# KiCad board AOML_AB_3.0_reorganized-v3.kicad_pcb (continued)
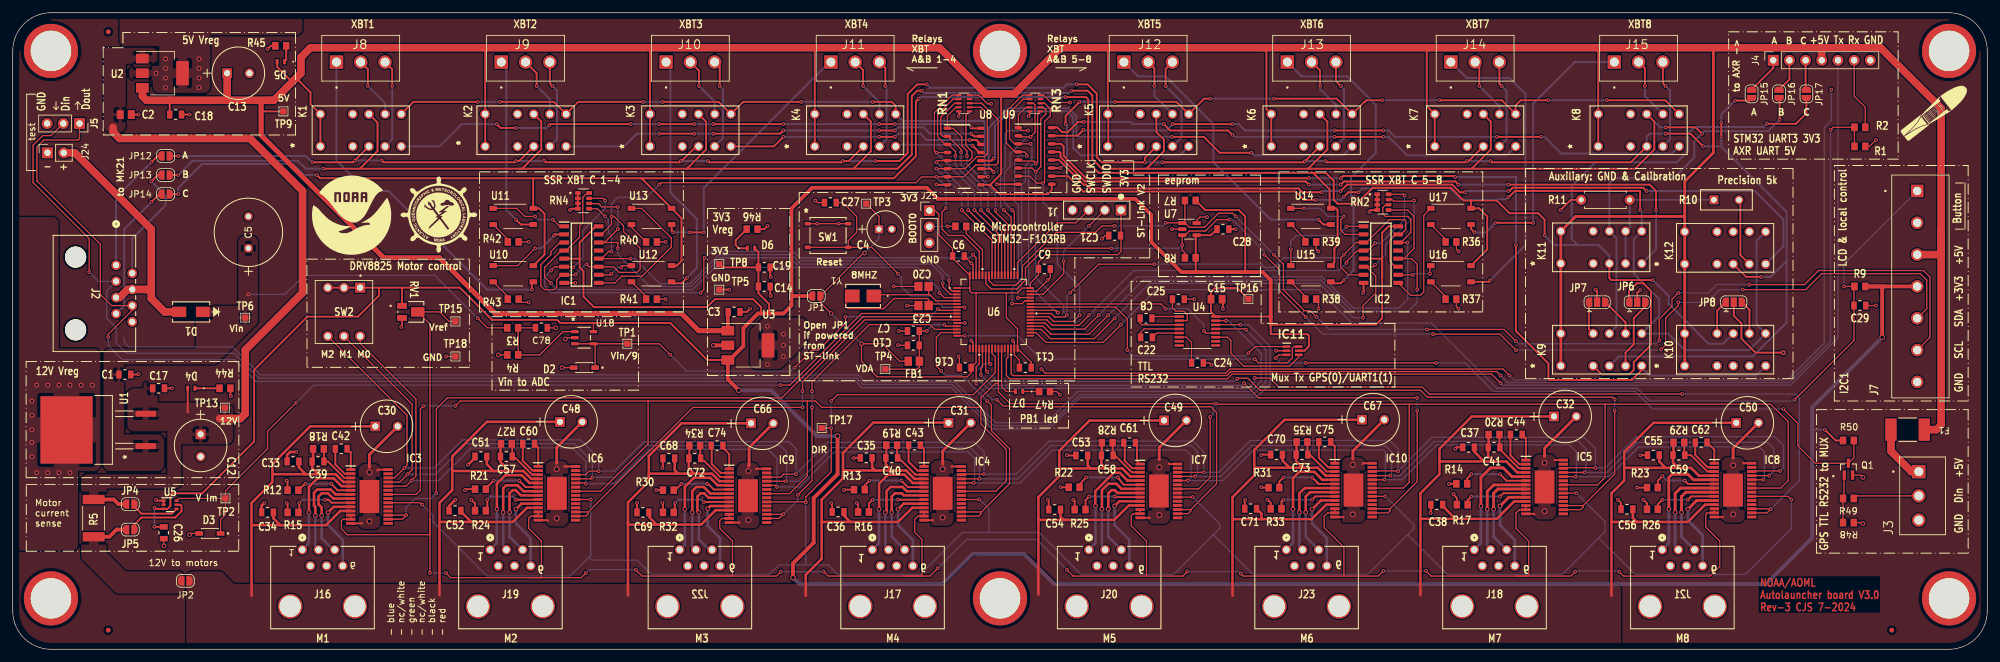
[diagram p0: board, top side]
## Routing (per net, layer and track width the routed paths; a pad name or vN(x,y) marks a point on that pad's centre or on a via; arc(x,y) is an arc through that point) (continued)
xbt_A: length 379
  Top w0.3: v1(47,76.5) 53.42,76.5 v1(53.71,76.79) K1.4 ; K5.4 177.75,77.21 v1(177.75,76.5) 171,76.5 170.2,77.3 170.2,87.3 168.75,88.75 v1(167,88.75) ; v1(270.4,86.2) 272.6,86.2 JP15.2 ; K3.4 107.3,79 105,76.7 v1(104.9,76.7) 104.7,76.5 83.7,76.5 v1(83.4,76.8) ; v1(180.5,76.5) 202.71,76.5 v1(202.85,76.65) K6.4 ; v1(232,76.7) 232.2,76.5 254.04,76.5 K8.4 ; K2.4 79.49,76.7 v1(79,76.7) 78.8,76.5 58.2,76.5 v1(57.9,76.8) ; v1(135.4,76.7) 139.2,76.7 140.5,78 140.5,87.25 142,88.75 v1(143.5,88.75) ; JP12.2 v1(26,77.5) ; v1(265.4,79) 263.4,81 v1(259.5,81) ; v1(274.5,58.5) 272.14,58.5 K12.4 ; K4.4 131.24,76.7 v1(130.3,76.7) 130.1,76.5 109.3,76.5 v1(109.1,76.7) ; v1(268.25,80.6) v1(268.25,82.75) ; v1(206.1,76.7) 206.3,76.5 228.1,76.5 v1(228.3,76.7) 228.58,76.7 K7.4
  Bottom w0.3: v1(104.9,76.7) v1(109.1,76.7) ; v1(259.5,81) 257,81 256.54,80.54 K8.4 ; v1(180.5,76.5) v1(177.75,76.5) ; 278.5,61 278.5,68.7 268.25,78.95 v1(268.25,80.6) ; 278.5,61 278.5,51.33 273.17,46 252.15,46 K9.4 ; 278.5,61 276,58.5 v1(274.5,58.5) ; v1(202.85,76.65) 202.91,76.7 v1(206.1,76.7) ; v1(143.5,88.75) 144.05,88.2 164.95,88.2 165.5,88.75 v1(167,88.75) ; v1(47,76.5) 46,77.5 v1(26,77.5) ; v1(53.71,76.79) 53.72,76.8 v1(57.9,76.8) ; v1(265.4,79) 268.25,79 ; v1(268.25,82.75) 268.25,84.05 v1(270.4,86.2) ; v1(83.4,76.8) 83.3,76.7 v1(79,76.7) ; v1(228.3,76.7) v1(232,76.7) ; v1(130.3,76.7) v1(135.4,76.7)
xbt_B: length 406.2
  Top w0.3: K4.9 134.73,82.89 134.73,78.23 132,75.5 ; K1.9 57.27,82.73 57.27,78.27 54.5,75.5 ; 229.06,75.5 203.39,75.5 ; 229.06,75.5 254.72,75.5 257.73,78.51 257.73,82.89 K8.9 ; 229.06,75.5 232.06,78.51 232.06,82.89 K7.9 ; 79.5,75.5 105.85,75.5 108.85,78.51 108.85,82.89 K3.9 ; 178,75.5 180.73,78.23 180.73,80.07 179.54,81.26 K5.9 ; 178,75.5 171,75.5 169.5,77 169.5,87 168.75,87.75 v1(166.25,87.75) ; 178,75.5 203.39,75.5 ; 54.5,75.5 80,75.5 80,75.53 82.98,78.51 82.98,82.89 K2.9 ; 54.5,75.5 v1(48.75,75.5) ; v1(265.2,81) 264.2,82 v1(259.5,82) ; 132,75.5 138.92,75.5 141.15,77.73 141.15,86.9 142,87.75 v1(142.75,87.75) ; 132,75.5 106,75.5 105.92,75.58 ; JP16.2 277.4,86.5 v1(277.4,83.2) ; 203.39,75.5 206.4,78.51 206.4,82.89 K6.9 ; JP13.2 v1(26,74.5)
  Bottom w0.3: v1(48.75,75.5) 46,75.5 44.75,76.75 28.25,76.75 v1(26,74.5) ; v1(259.5,82) 258.62,82 K8.9 ; v1(142.75,87.75) 143.1,87.4 165.9,87.4 v1(166.25,87.75) ; v1(277.4,83.2) 275.6,81.4 265.6,81.4 v1(265.2,81) 264,79.8 264,77.25 260.75,74 251.5,74 250.67,73.17 K11.9 251.78,64.57 251.78,50.71 K9.9
xbt_C: length 409
  Top w0.3: v1(240.5,65) 240.5,67.5 239.5,68.5 235,68.5 233,70.5 228.94,70.5 ; 228.94,70.5 U17.6 230.23,69.27 231.5,68 231.5,62.83 U16.6 ; 228.94,70.5 227.79,70.5 225.79,72.5 213.5,72.5 211,70 208,70 207.4,70.6 207.4,73.6 206.15,74.85 170.5,74.85 168.85,76.5 168.85,86.4 168.5,86.75 v1(165.25,86.75) ; v1(142.25,86.5) 141.8,86.05 141.8,77.46 138.34,74 98.5,74 ; v1(257.5,58) 251,58 250.67,58.33 K11.4 ; 81.7,74 81.7,69.3 U11.6 82.63,69.27 83.5,68.4 83.5,62.04 U10.6 ; JP14.2 v1(26,71.5) ; 98.5,74 48.25,74 v1(47.75,74.5) ; 98.5,74 98.71,74 U13.6 105,67.71 105,61 104.27,60.27 U12.6 ; v1(275.4,82.6) 275.45,82.55 279.95,82.55 281.6,84.2 JP17.2 ; 204.15,74.85 206.75,72.25 206.75,69.47 U14.6 207.73,69.27 208,69 208,63.5 207.5,63 207.5,60.82 U15.6
  Top w0.45: U17.6 228.73,69.27
  Bottom w0.3: K10.9 268.52,48 266.25,48 260,54.25 260,55.5 v1(257.5,58) ; v1(275.4,82.6) 274.85,82.05 264.05,82.05 263,81 263,78.25 261.25,76.5 248.5,76.5 244.75,72.75 244.75,64.5 245.75,63.5 ; v1(26,71.5) 26,72.5 29.75,76.25 44,76.25 45.75,74.5 v1(47.75,74.5) ; v1(165.25,86.75) 142.5,86.75 v1(142.25,86.5) ; K11.4 250.67,61.83 249,63.5 245.75,63.5 ; 245.75,63.5 242,63.5 v1(240.5,65)
Net-(D4-K): length 3.9
  Top w0.3: D4.1 R44.2
Net-(D5-K): length 2.6
  Top w0.3: D5.1 42.94,92.59 R45.2
Net-(D6-K): length 5.3
  Top w0.3: D6.1 114,63 113.5,63.5 113.5,64.27 R46.2
Net-(D7-A): length 8.5
  Top w0.2: U6.27 155.25,41.25 156,40.5 D7.2
Net-(D7-K): length 2.6
  Top w0.2: R47.2 D7.1
Net-(IC1-Q1): length 13.2
  Top w0.2: U10.1 79.27,60.27 v1(82,63)
  Top w0.3: v1(85,65) 85.18,65.17 IC1.2
  Bottom w0.3: v1(82,63) 83,63 v1(85,65)
Net-(IC1-Q2): length 23.3
  Top w0.2: IC1.9 94.56,57.56 95.6,58.6 98.8,58.6 103.4,63.2 103.4,64.6 98.73,69.27 U13.1
Net-(IC1-Q3): length 5.7
  Top w0.2: v1(94,59) 93.82,58.83 IC1.10 ; U12.1 95.77,60.27 v1(95.5,60)
  Bottom w0.2: v1(95.5,60) 95,60 v1(94,59)
Net-(IC1-Q4): length 12.3
  Top w0.2: IC1.1 85.85,66.44 v1(84.8,67.5) ; U11.1 79.13,69.27 80.4,68 v1(82,68)
  Bottom w0.2: v1(82,68) 82.5,67.5 v1(84.8,67.5)
Net-(IC2-Q1): length 15.1
  Top w0.2: v1(209,68) 208.5,67.5 208.5,65.84 209.17,65.17 IC2.2 ; v1(202.73,69.27) U14.1
  Bottom w0.2: v1(202.73,69.27) 205.23,69.27 206.5,68 v1(209,68)
Net-(IC2-Q2): length 18.7
  Top w0.2: IC2.9 219.46,55.6 221,55.6 221.52,56.12 221.52,68.15 222.64,69.27
Net-(IC2-Q3): length 6.4
  Top w0.2: 222.64,60.27 222.5,60.12 v1(222.5,59) ; v1(219.82,58.83) IC2.10
  Bottom w0.2: v1(219.82,58.83) 220,59 v1(222.5,59)
Net-(IC2-Q4): length 16.3
  Top w0.2: v1(200.65,62.85) U15.1 ; v1(209.4,66.4) 209.44,66.44 IC2.1
  Bottom w0.2: v1(209.4,66.4) 208,65 201.5,65 200.65,64.15 v1(200.65,62.85)
Net-(IC3-AOUT1): length 17.9
  Top w0.4: IC3.5 51.63,25.62 50.41,26.85 47.85,26.85 46.5,25.5 v2(46.5,21.5)
  Bottom w0.4: v2(46.5,21.5) 46.5,16.68 J16.1
Net-(IC3-AOUT2): length 15.5
  Top w0.4: v2(47.5,21) 47.5,22.37 47.3,22.57 47.3,24.6 47.8,25.1 49.9,25.1 50.67,24.32 IC3.7
  Bottom w0.4: J16.3 47.5,16.14 v2(47.5,21)
Net-(IC3-BOUT1): length 13.3
  Top w0.4: IC3.10 50.38,22.38 v2(49.5,21.5)
  Bottom w0.4: v2(49.5,21.5) 49.5,19.5 51.81,17.19 J16.6
Net-(IC3-BOUT2): length 15.1
  Top w0.4: v2(48.5,21) 48.5,22.29 48,22.79 48,24 48.5,24.5 49.5,24.5 50.33,23.68 IC3.8
  Bottom w0.4: v2(48.5,21) 48.5,17.47 50.33,15.64 J16.5
Net-(IC3-CP1): length 3.5
  Top w0.3: IC3.1 53.06,30.94 C42.2
Net-(IC3-CP2): length 5.5
  Top w0.3: C42.1 50.64,29.05 52.12,27.57 IC3.2
Net-(IC3-ISENA): length 9
  Top w0.3: IC3.6 51.03,24.97 v1(50,26) ; v1(46,26) 45.85,26 R12.2
  Bottom w0.3: v1(50,26) v1(46,26)
Net-(IC3-ISENB): length 10
  Top w0.3: IC3.9 50.05,23.03 49.58,23.5 v1(49,23.5) ; v1(45,23) 45,21.65 R15.2
  Bottom w0.3: v1(45,23) 45.5,23.5 v1(49,23.5)
Net-(IC3-VCP): length 7.3
  Top w0.3: IC3.3 52.06,26.93 49.49,29.5 C39.2 48.86,31.5 R18.1
Net-(IC4-AOUT1): length 19
  Top w0.4: IC4.5 141.3,26.12 139.99,27.44 137.44,27.44 136.02,26.02 136.02,22.02 v2(136,22)
  Bottom w0.4: J17.1 136,16.68 v2(136,22)
Net-(IC4-AOUT2): length 15.9
  Top w0.4: IC4.7 140.36,24.82 139.69,25.5 137.82,25.5 137.18,24.86 137.18,21.68 v2(137,21.5)
  Bottom w0.4: v2(137,21.5) 137,16.14 J17.3
Net-(IC4-BOUT1): length 14.3
  Top w0.4: IC4.10 139.88,22.88 v2(139,22)
  Bottom w0.4: J17.6 141.31,17.19 139,19.5 v2(139,22)
Net-(IC4-BOUT2): length 14.6
  Top w0.4: v2(138,21.5) 138,24 138.5,24.5 139.58,24.5 139.91,24.18 IC4.8
  Bottom w0.4: v2(138,21.5) 138,17.68 J17.5
Net-(IC4-CP1): length 3.6
  Top w0.3: IC4.1 143.06,31.51 C43.2
Net-(IC4-CP2): length 5.6
  Top w0.3: IC4.2 142.05,28.07 140.64,29.48 C43.1
Net-(IC4-ISENA): length 10.7
  Top w0.3: IC4.6 140.53,25.47 v1(139.5,26.5) ; v1(134.5,26.5) 133.78,25.78 R13.2
  Bottom w0.3: v1(139.5,26.5) v1(134.5,26.5)
Net-(IC4-ISENB): length 10.2
  Top w0.3: R16.2 134.42,22.92 v1(135,23.5) ; IC4.9 143.04,23.5 v1(139,23.5)
  Bottom w0.3: v1(139,23.5) v1(135,23.5)
Net-(IC4-VCP): length 7.3
  Top w0.3: R19.1 138.85,30.15 C40.2 139.09,30.07 141.74,27.43 IC4.3
Net-(IC5-AOUT1): length 20
  Top w0.45: IC5.5 235.38,27.12 234,28.5 232,28.5 230.5,27 v2(230.5,22.5)
  Bottom w0.45: v2(230.5,22.5) 230.5,16.68 J18.1
Net-(IC5-AOUT2): length 15.9
  Top w0.45: IC5.7 232.5,25.82 231.5,24.82 v2(231.5,22)
  Bottom w0.45: v2(231.5,22) 231.5,16.14 J18.3
Net-(IC5-BOUT1): length 15
  Top w0.45: v2(233.5,22.5) 234.88,23.88 IC5.10
  Bottom w0.45: J18.6 235.81,17.19 233.5,19.5 v2(233.5,22.5)
Net-(IC5-BOUT2): length 15
  Top w0.45: v2(232.5,22) 232.5,24.5 233.18,25.18 IC5.8
  Bottom w0.45: J18.5 232.5,17.68 v2(232.5,22)
Net-(IC5-CP1): length 4.2
  Top w0.3: IC5.1 237.56,33.15 C44.2
Net-(IC5-CP2): length 6.3
  Top w0.3: IC5.2 236.52,29.07 235.13,30.47 C44.1
Net-(IC5-ISENA): length 10.8
  Top w0.3: R14.2 228.35,26.85 v1(229,27.5) ; v1(233.5,27.5) 234.52,26.47 IC5.6
  Bottom w0.3: v1(233.5,27.5) v1(229,27.5)
Net-(IC5-ISENB): length 10.3
  Top w0.3: IC5.9 234.02,24.53 v1(233.5,24) ; R17.2 228.42,23.42 v1(229,24)
  Bottom w0.3: v1(233.5,24) v1(229,24)
Net-(IC5-VCP): length 7.7
  Top w0.3: R20.1 233.41,31.8 C41.2 233.49,31.4 236.47,28.43 IC5.3
Net-(IC6-AOUT1): length 18.4
  Top w0.4: v2(76,22) 76,26 77.35,27.35 79.91,27.35 81.13,26.12 IC6.5
  Bottom w0.4: v2(76,22) 76,16.68 J19.1
Net-(IC6-AOUT2): length 16.1
  Top w0.4: 77.09,21.59 v2(77,21.5) 77,25.3 77.45,25.75 79.25,25.75 80.18,24.82 IC6.7
  Bottom w0.4: J19.3 77,16.14 v2(77,21.5)
Net-(IC6-BOUT1): length 13.7
  Top w0.4: IC6.10 79.88,22.88 v2(79,22)
  Bottom w0.4: J19.6 81.31,17.44 79,19.75 v2(79,22)
Net-(IC6-BOUT2): length 14.8
  Top w0.4: IC6.8 79.78,24.18 78.95,25 78.5,25 78,24.5 v2(78,21.5)
  Bottom w0.4: v2(78,21.5) 78,17.68 J19.5
Net-(IC6-CP1): length 3.8
  Top w0.3: IC6.1 82.5,31.7 C60.2
Net-(IC6-CP2): length 5.7
  Top w0.3: IC6.2 81.62,28.07 80.07,29.62 C60.1
Net-(IC6-ISENA): length 9.3
  Top w0.3: v1(79.5,26.5) 80.53,25.47 IC6.6 ; R21.2 74.28,25.28 v1(75.5,26.5)
  Bottom w0.3: v1(79.5,26.5) v1(75.5,26.5)
Net-(IC6-ISENB): length 10.2
  Top w0.3: v1(74.5,23.5) 74.5,22 R24.2 ; v1(79,23.5) 82.47,23.5 IC6.9
  Bottom w0.3: v1(79,23.5) 78.5,24 75,24 v1(74.5,23.5)
Net-(IC6-VCP): length 7.3
  Top w0.3: R27.1 78.43,32.2 C57.2 78.7,30 78.99,30 81.56,27.43 IC6.3
Net-(IC7-AOUT1): length 18.4
  Top w0.4: v2(170,22.5) 169.96,22.54 169.96,24.84 172.84,27.72 173.8,27.72 175,26.53 175,26.5 IC7.5
  Bottom w0.4: v2(170,22.5) 170,16.68 J20.1
Net-(IC7-AOUT2): length 16.4
  Top w0.4: 171,21.89 v2(171,22) 171,25 172,26 173.27,26 174.07,25.2 IC7.7
  Bottom w0.4: v2(171,22) 171,16.14 J20.3
Net-(IC7-BOUT1): length 14.7
  Top w0.4: IC7.10 173.75,23.25 v2(173,22.5)
  Bottom w0.4: J20.6 175.31,17.19 173,19.5 v2(173,22.5)
Net-(IC7-BOUT2): length 15.1
  Top w0.4: v2(172,22) 172,24.5 172.5,25 173,25 173.45,24.55 IC7.8
  Bottom w0.4: J20.5 172,17.68 v2(172,22)
Net-(IC7-CP1): length 3.5
  Top w0.3: 176.44,32.4 176.5,32.34 176.5,29.6 IC7.1
Net-(IC7-CP2): length 5.8
  Top w0.3: C61.1 174.58,32.28 174.58,29.62 175.76,28.45 IC7.2
Net-(IC7-ISENA): length 11
  Top w0.3: v1(168.5,27) 167.5,25.89 R22.2 ; v1(173.5,27) 174.41,25.85 IC7.6
  Bottom w0.3: v1(173.5,27) v1(168.5,27)
Net-(IC7-ISENB): length 10.3
  Top w0.3: v1(169,24) 168.42,23.42 R25.2 ; IC7.9 174.1,23.9 ; 174.07,23.9 173.1,23.9 v1(173,24)
  Bottom w0.3: v1(173,24) v1(169,24)
Net-(IC7-VCP): length 7.8
  Top w0.3: 173.02,30.4 172.87,30.4 172.69,30.57 ; R28.1 172.69,30.53 C58.2 173.05,30.45 175.7,27.8 IC7.3
Net-(IC8-AOUT1): length 19.5
  Top w0.45: v2(260,22) 260,27 260.5,27.5 263,27.5 263.88,26.62 IC8.5
  Bottom w0.45: v2(260,22) 260,16.68 J21.1
Net-(IC8-AOUT2): length 15.6
  Top w0.45: IC8.7 261.82,25.32 261,24.5 v2(261,21.5)
  Bottom w0.45: J21.3 261,16.14 v2(261,21.5)
Net-(IC8-BOUT1): length 14.6
  Top w0.45: v2(263,22) 264.38,23.38 IC8.10
  Bottom w0.45: J21.6 265.31,17.94 263,20.25 v2(263,22)
Net-(IC8-BOUT2): length 14.6
  Top w0.45: v2(262,21.5) 262,24 262.68,24.68 IC8.8
  Bottom w0.45: J21.5 262,17.68 v2(262,21.5)
Net-(IC8-CP1): length 3.7
  Top w0.3: IC8.1 267.15,31.37 C62.2
Net-(IC8-CP2): length 5.8
  Top w0.3: C62.1 264.16,30.53 266.11,28.57 IC8.2
Net-(IC8-ISENA): length 10.8
  Top w0.3: v1(262.5,26.5) 263.02,25.97 IC8.6 ; v1(259,27.2) 258.28,26.48 R23.2
  Bottom w0.3: v1(262.5,26.5) 259.7,26.5 v1(259,27.2)
Net-(IC8-ISENB): length 10.2
  Top w0.3: R26.2 258.28,22.78 v1(259,23.5) ; IC8.9 263.52,24.03 v1(263,23.5)
  Bottom w0.3: v1(263,23.5) v1(259,23.5)
Net-(IC8-VCP): length 7.7
  Top w0.3: R29.1 262.44,30.58 C59.2 263.48,30.5 266.05,27.93 IC8.3
Net-(IC9-AOUT1): length 18.3
  Top w0.4: IC9.5 110.68,25.75 109.49,26.94 106.94,26.94 105.52,25.52 v2(105.52,22)
  Bottom w0.4: J22.1 105.52,16.45 v2(105.52,22)
Net-(IC9-AOUT2): length 16
  Top w0.4: IC9.7 109.55,24.45 108.5,25.5 107.32,25.5 106.68,24.86 v2(106.68,21.5)
  Bottom w0.4: v2(106.68,21.5) 106.68,16.21 J22.3
Net-(IC9-BOUT1): length 13.4
  Top w0.4: IC9.10 109.5,22.5 v2(109.1,22.1)
  Bottom w0.4: J22.6 111.06,17.44 109.1,19.4 v2(109.1,22.1)
Net-(IC9-BOUT2): length 15.1
  Top w0.4: v2(107.72,21.5) 107.5,21.72 107.5,24 108,24.5 108.57,24.5 109.26,23.8 IC9.8
  Bottom w0.4: v2(107.72,21.5) 107.72,17.28 109.36,15.64 J22.5
Net-(IC9-CP1): length 3.6
  Top w0.3: IC9.1 112.5,30.67 111.59,31.59
Net-(IC9-CP2): length 5.8
  Top w0.3: IC9.2 111.17,27.7 109.73,29.14 109.73,31.59
Net-(IC9-ISENA): length 9.6
  Top w0.3: v1(109,26) 109.17,26 110.07,25.1 IC9.6 ; v1(105,26) 104,25 103.85,25 103.94,25.09
  Bottom w0.3: v1(109,26) v1(105,26)
Net-(IC9-ISENB): length 10.4
  Top w0.3: v1(104,23) 103.94,22.94 103.94,21.59 ; 112.46,23.11 IC9.9 109.1,23.15 109.1,23.15 v1(108.5,23.15)
  Bottom w0.3: v1(104,23) 104.5,23.5 108.15,23.5 v1(108.5,23.15)
Net-(IC9-VCP): length 7.6
  Top w0.3: 107.94,31.59 107.94,31.58 107.94,29.59 108.58,29.59 111.11,27.05 IC9.3
Net-(IC10-AOUT1): length 19.2
  Top w0.4: v2(201,22) 201,26.89 201.99,27.87 204.35,27.87 205.61,26.61 206.34,26.61 206.35,26.62 IC10.5
  Bottom w0.4: J23.1 201,16.68 v2(201,22)
Net-(IC10-AOUT2): length 15
  Top w0.4: v2(202,21.5) 202,24.5 202.82,25.32 IC10.7
  Bottom w0.4: J23.3 202,16.14 v2(202,21.5)
Net-(IC10-BOUT1): length 14
  Top w0.4: IC10.10 205.38,23.38 v2(204,22)
  Bottom w0.4: v2(204,22) 204,19.75 206.31,17.44 J23.6
Net-(IC10-BOUT2): length 14
  Top w0.4: IC10.8 203.68,24.68 203,24 v2(203,21.5)
  Bottom w0.4: v2(203,21.5) 203,17.68 J23.5
Net-(IC10-CP1): length 3.8
  Top w0.3: IC10.1 207.56,31.93 C75.2 206.99,32.57 207.05,32.51
Net-(IC10-CP2): length 5.7
  Top w0.3: IC10.2 206.55,28.57 205.06,30.07 C75.1 205.04,32.57 205.03,32.56
Net-(IC10-ISENA): length 10.7
  Top w0.3: v1(199.5,27) 198.85,26.35 R31.2 ; 204.75,26.25 204.99,26 ; 204.75,26.25 205.02,25.97 IC10.6 ; 204.75,26.25 v1(204,27)
  Bottom w0.3: v1(204,27) v1(199.5,27)
Net-(IC10-ISENB): length 9.8
  Top w0.3: v1(199.5,23.5) 199.2,23.2 R33.2 ; 207.55,24.01 IC10.9 204.52,24.03 v1(204,23.5)
  Bottom w0.3: v1(204,23.5) v1(199.5,23.5)
Net-(IC10-VCP): length 7.7
  Top w0.3: 203.64,30.51 203.48,30.51 203.31,30.68 ; R35.1 203.27,30.68 203.38,30.56 203.66,30.56 206.3,27.93 IC10.3
Net-(J3-Pin_1): length 9.2
  Top w0.45: 299.19,27.85 J3.1
  Top w1.2: F1.2 294.88,31.12 298.09,27.91 J3.1
Net-(J3-Pin_2): length 10.4
  Top w0.2: R49.2 289.45,24.1 J3.2
Net-(J4-Pin_1): length 6
  Top w0.3: JP15.1 276.4,91.3 J4.1
Net-(J4-Pin_2): length 5.3
  Top w0.3: JP16.1 278.94,89.54 J4.2
Net-(J4-Pin_3): length 4.7
  Top w0.3: JP17.1 281.48,88.02 J4.3
Net-(J4-Pin_6): length 11.3
  Top w0.2: R2.2 290.85,85.15 289.1,86.9 J4.6
Net-(J7-Pin_1): length 174.5
  Top w0.2: v1(287.5,57) R9.1 289.07,56.92 C29.1 289.07,48.52 v1(279.75,39.2) ; v1(174,51) 171.2,48.2 162.2,48.2 160.65,49.75 U6.34
  Bottom w0.2: J7.1 287.5,60.5 v1(287.5,57) ; v1(174,51) 179.5,56.5 205,56.5 210.25,51.25 222.75,51.25 233,41 255,41 257,39 279.55,39 v1(279.75,39.2)
Net-(J25-Pin_2): length 4.1
  Top w0.2: v1(146.75,66.44) R6.1
  Bottom w0.2: J25.2 143.96,66.44 v1(146.75,66.44)
Net-(JP2-B): length 5.6
  Top w0.6: JP5.1 16.3,18.8 15.17,17.67 R5.1
Net-(JP4-B): length 7.8
  Top w0.3: JP4.2 19.1,22.4 20.2,21.3 24.98,21.3 U5.4
Net-(JP5-B): length 10.8
  Top w0.3: JP5.2 19.1,19.6 20.2,20.7 25.51,20.7 26.5,21.69 26.5,22.55 26.35,22.7 U5.5
Net-(JP6-A): length 26.9
  Top w0.3: JP6.1 253.75,56.25 255,57.5 256,57.5 257.2,56.3 257.2,47.8 254.5,45.1 254.5,43.9 253.8,43.2 249.45,43.2 K9.3
Net-(JP6-B): length 11.3
  Top w0.3: JP6.3 256.35,53.87 254.5,52.02 254.5,47.9 253.21,46.61 K9.5
Net-(JP7-A): length 5.2
  Top w0.3: JP7.1 247.45,50.28 K9.10
Net-(JP7-B): length 6.2
  Top w0.3: JP7.3 253.21,51.36 K9.8
Net-(JP8-A): length 5.5
  Top w0.3: JP8.1 267.58,53.2 K10.10
Net-(JP8-B): length 5.4
  Top w0.3: JP8.3 272.66,53.36 K10.8
Net-(JP12-A): length 20.5
  Top w0.3: v1(21.75,76.5) 22.75,77.5 JP12.1
  Bottom w0.3: v1(21.75,76.5) 16.23,70.98 J2.1
Net-(JP13-A): length 19.5
  Top w0.3: JP13.1 22.75,74.5 v1(21.75,73.5)
  Bottom w0.3: v1(21.75,73.5) 24,71.25 24,69.75 18.77,64.52 J2.2
Net-(JP14-A): length 22
  Top w0.2: 16.2,52.69 J2.7
  Top w0.3: JP14.1 23,71.5 v1(21.75,70.25)
  Bottom w0.3: J2.7 17.5,53.99 17.5,66 v1(21.75,70.25)
Net-(K1--_1): length 93.2
  Top w0.3: v1(97,82.5) 84.4,82.5 v1(84.2,82.3) ; v1(121,82.5) v1(110,82.5) ; v1(76,82.5) 76.6,81.9 v1(79,81.9) ; v1(136,82.5) v1(138.5,82.5) ; v1(150.5,82) 150.65,81.85 U8.16 ; v1(101.5,82.5) v1(107,82.5)
  Bottom w0.3: v1(76,82.5) 70.5,82.5 67,79 K1.6 ; v1(107,82.5) v1(110,82.5) ; v1(121,82.5) v1(136,82.5) ; v1(138.5,82.5) 150,82.5 v1(150.5,82) ; v1(84.2,82.3) 83.8,81.9 v1(79,81.9) ; v1(97,82.5) v1(101.5,82.5)
Net-(K2--_1): length 67
  Top w0.3: v1(110,81) 120.5,81 v1(121,81.5) ; U8.15 150.92,80.58 v1(150.5,81) ; v1(101.5,81) v1(107,81) ; v1(136,81.5) v1(138.5,81.5)
  Bottom w0.3: v1(121,81.5) v1(136,81.5) ; v1(138.5,81.5) 139,82 143,82 144,81 v1(150.5,81) ; v1(107,81) v1(110,81) ; v1(101.5,81) 98,81 96,79 K2.6
Net-(K3--_1): length 40.8
  Top w0.3: v1(150.25,80) 151.31,80 U8.14 ; v1(121,80.5) 119.5,79 K3.6 ; v1(138.5,80.5) v1(136,80.5)
  Bottom w0.3: v1(121,80.5) v1(136,80.5) ; v1(150.25,80) 143.5,80 142.5,81 139,81 v1(138.5,80.5)
Net-(K4--_1): length 14
  Top w0.3: v1(150.7,79.1) 151.76,78.04 U8.13
  Bottom w0.3: K4.6 138.87,79.25 150.55,79.25 v1(150.7,79.1)
Net-(K5--_1): length 44.9
  Top w0.3: v1(154,77.1) 153.67,76.77 U8.12
  Bottom w0.3: v1(154,77.1) 154.2,77.3 154.2,82.2 156.5,84.5 165.54,84.5 166.5,83.54 166.5,78.75 167.65,77.6 183.22,77.6 K5.6
Net-(K6--_1): length 73.2
  Top w0.3: v1(194.5,78) 189.5,78 187,80.5 v1(182,80.5) ; U8.11 153.5,75.5 v1(154,75)
  Bottom w0.3: v1(154,75) 153.2,75.8 153.2,81.91 156.29,85 165.75,85 167,83.75 167,80.75 167.25,80.5 v1(182,80.5) ; K6.6 208.89,77.6 194.9,77.6 v1(194.5,78)
Net-(K7--_1): length 76.6
  Top w0.3: v1(168.15,82.85) 167.25,82.85 165.65,81.25 164.75,81.25 164,82 163.18,82 U9.16 ; v1(191.5,80.8) 190.8,81.5 181.7,81.5 v1(180.7,82.5) ; v1(215.2,80.5) v1(207.5,80.5)
  Bottom w0.3: v1(191.5,80.8) 191.8,80.5 v1(207.5,80.5) ; K7.6 234.56,77.6 218.9,77.6 216,80.5 v1(215.2,80.5) ; v1(180.7,82.5) 175.9,82.5 175.55,82.85 v1(168.15,82.85)
Net-(K8--_1): length 101.7
  Top w0.3: v1(168.1,81.6) 167.18,80.67 U9.15 ; v1(240,80.5) v1(233,80.5) ; v1(215.2,81.5) v1(207.5,81.5) ; v1(191.5,82.5) v1(182.1,82.5)
  Bottom w0.3: K8.6 260.51,77.89 243.11,77.89 240.5,80.5 v1(240,80.5) ; v1(215.2,81.5) 216,81.5 217,80.5 v1(233,80.5) ; v1(168.1,81.6) 168.2,81.5 181.1,81.5 v1(182.1,82.5) ; v1(207.5,81.5) 193.5,81.5 192.5,82.5 v1(191.5,82.5)
Net-(K10--_1): length 146.9
  Top w0.3: v1(236,63.5) 236,50 241.1,44.9 241.1,42.5 241.3,42.3 254.2,42.3 255.75,43.85 K9.6 ; v1(226.45,74.2) 226.3,74.35 208.85,74.35 v1(208.5,74) ; v1(203.5,74) 168.53,74 165,77.53 165,79 164.59,79.41 U9.14
  Bottom w0.3: v1(203.5,74) v1(208.5,74) ; v1(236,63.5) 236,74.2 v1(226.45,74.2) ; K9.6 255.75,44.25 257,43 273.68,43 K10.6
Net-(K11--_1): length 110.6
  Top w0.3: v1(258,69) 258,72 257,73 v1(234.8,73) ; v1(208.5,73) 209,73.5 226.5,73.5 v1(227,73) ; v1(203.5,73) 203,73.5 168.32,73.5 164.5,77.32 164.5,78 164.37,78.14 U9.13
  Bottom w0.3: K11.6 258,62.85 v1(258,69) ; v1(203.5,73) v1(208.5,73) ; v1(227,73) v1(234.8,73)
Net-(K11-NO_1): length 23.5
  Bottom w0.3: K11.5 K11.8 253.86,66.33 R11.2 R10.1
Net-(K12--_1): length 128.5
  Top w0.3: v1(208.5,72) 209.5,73 226,73 227.2,71.8 v1(228,71.8) ; v1(256.5,72) 256,72.5 235.5,72.5 235,72 v1(234.8,72) ; U9.12 164.25,76.86 168.12,73 168.5,73 169.1,72.4 201.9,72.4 202.5,71.8 v1(205.5,71.8)
  Bottom w0.3: v1(228,71.8) 228.2,72 v1(234.8,72) ; v1(256.5,72) 273.5,72 278,67.5 278,63.32 K12.6 ; v1(208.5,72) 205.7,72 v1(205.5,71.8)
Net-(K12-NO_1): length 10.8
  Top w0.3: R10.2 271.23,70.39 271.23,61.95 K12.5
Net-(Q1-G): length 7.6
  Top w0.2: R48.2 R49.1 287.5,23.85 287.5,27.32 Q1.1
Net-(R36-Pad1): length 3.7
  Top w0.2: R36.1 224.95,64.43 222.64,66.73
Net-(R37-Pad1): length 3.7
  Top w0.2: R37.1 224.94,55.43 222.64,57.73
Net-(R38-Pad1): length 3.7
  Top w0.2: R38.1 202.94,55.44 U15.3
Net-(R39-Pad1): length 3.7
  Top w0.2: R39.1 202.94,64.43 U14.3
Net-(R40-Pad1): length 3.7
  Top w0.2: U13.3 97.14,66.3 R40.1
Net-(R41-Pad1): length 3.7
  Top w0.2: R41.1 99.44,55.43 U12.3
Net-(R42-Pad1): length 3.7
  Top w0.2: U11.3 77.73,64.43 R42.1
Net-(R43-Pad1): length 3.7
  Top w0.2: R43.1 77.73,55.43 U10.3
Net-(SW1-A): length 40.1
  Top w0.2: U6.7 149.4,53.75 v1(149.45,53.7) ; SW1.3 SW1.4 ; SW1.4 134.85,63.15 v1(139,59) ; SW1.4 131.18,64.18 132.5,65.5 132.5,68 130.33,70.17 C27.2
  Bottom w0.2: v1(149.45,53.7) 149.45,53.7 146.05,53.7 144.25,55.5 141,55.5 139.5,57 139.5,58.5 v1(139,59)
Net-(U4-C1+): length 4.4
  Top w0.2: C8.1 179.13,52.28 U4.1
Net-(U4-C1-): length 7
  Top w0.2: C8.2 177,51.22 177.25,50.97 U4.3
Net-(U4-C2+): length 7.1
  Top w0.2: C22.1 177.07,49.78 177.62,50.32 U4.4
Net-(U4-C2-): length 4.5
  Top w0.2: U4.5 179.6,49.68 C22.2
Net-(U4-VS+): length 6.3
  Top w0.2: U4.2 184.32,51.62 184.4,51.7 184.4,52.6 183.9,53.1 182.6,53.1 182.07,53.63 C25.1
Net-(U4-VS-): length 5.5
  Top w0.2: U4.6 184.28,49.03 185.07,48.23 C24.1
Net-(U6-BOOT0): length 8.7
  Top w0.2: R6.2 149.7,65.3 152.25,62.75 U6.60
Net-(U6-PC1): length 142.8
  Top w0.2: v1(120.5,41.5) 122,41.5 133.25,52.75 U6.9 ; U5.6 26.08,23.7 TP2.1 ; TP2.1 33.4,21.15 32.64,20.38 D3.K ; TP2.1 33.4,24.9 40,31.5 40,34.25 v1(44.5,38.75)
  Bottom w0.2: v1(120.5,41.5) 47.25,41.5 v1(44.5,38.75)
Net-(U6-PD0): length 14.8
  Top w0.2: 143.8,55.7 143.99,55.7 144.94,54.75 U6.5 ; 143.8,55.7 135.4,55.7 Y1.1 ; 143.8,55.7 C20.1
Net-(U6-PD1): length 21.4
  Top w0.2: U6.6 144.05,54.25 C23.1 143.8,54.92 143.63,55.1 138.35,55.1 136.75,53.5 131.15,53.5 130.85,53.81 130.85,54.55 Y1.2
Net-(U18-+): length 17.4
  Top w0.2: U18.1 86.4,49.9 82.75,46.25 R4.1 R3.1 C78.1
Net-(U18--): length 70.3
  Top w0.2: 122.75,44.24 v1(122.75,44.25) 122.76,44.25 125.51,47 126.5,47 130.75,51.25 v1(130.75,52.25) ; U18.4 U18.3 ; U18.4 TP1.1 101.5,48 v1(103.25,46.25) ; U18.4 91.43,47.74 D2.K ; v1(145.25,53.45) 145.45,53.25 U6.8
  Bottom w0.2: v1(103.25,46.25) 105.8,43.7 122.2,43.7 v1(122.75,44.25) ; v1(145.25,53.45) 144.05,52.25 v1(130.75,52.25)

## Copper pours and planes (outline as drawn; the poured copper is in the pictures)
+12V on Top: 22.75,92 22.75,94.5 14.5,94.5 14.25,94.25 14.25,81.25 17.75,81.25 17.75,92
+12V on Top: 14.75,25.25 14.75,22.75 10.75,22.75 10.75,27.5 24.25,27.5 24.25,34.25 18,34.25 18,41 20.5,41 20.5,42 22.75,42 22.79,38.74 34.6,38.76 34.6,32.2 26.46,32.21 26.5,25.25
/+19.5V on Top: 35.4,64.95 38.5,64.95 38.5,51.27 31.9,44.75 17.5,44.75 17.5,33.75 23.75,33.75 23.75,28 14.25,28 14.25,47.25 28.75,47.25 28.75,53.95 35.4,53.95
GND on Top: 147.7,29.7 147.7,19.4 144.3,19.4 144.2,19.5 144.2,29.7
GND on Top: 212.3,19.9 208.8,19.9 208.7,20 208.7,30.2 212.3,30.2
GND on Top: 10.25,28 10.25,15.5 0,15.5 0,67.9 7.19,67.9 7.25,47.25 13.75,47.25 13.75,28
GND on Top: 54.3,29.1 57.7,29.1 57.7,18.9 54.3,18.9
GND on Top: 83.7,29.6 87.2,29.6 87.2,19.3 83.7,19.3
GND on Top: 271.9,30.2 271.9,19.9 268.3,19.9 268.3,30.2
GND on Top: 31,96.5 45.5,96.5 45.5,100 16.75,100 16.75,94.75 23,94.75 23,91.66 18.25,91.65 18.25,89.3 22,89.3 22,87.4 31,87.4
